# KiCad board output.Panel_R0.5.1_300x300_2layer_step1_Modified.kicad_pcb (continued)
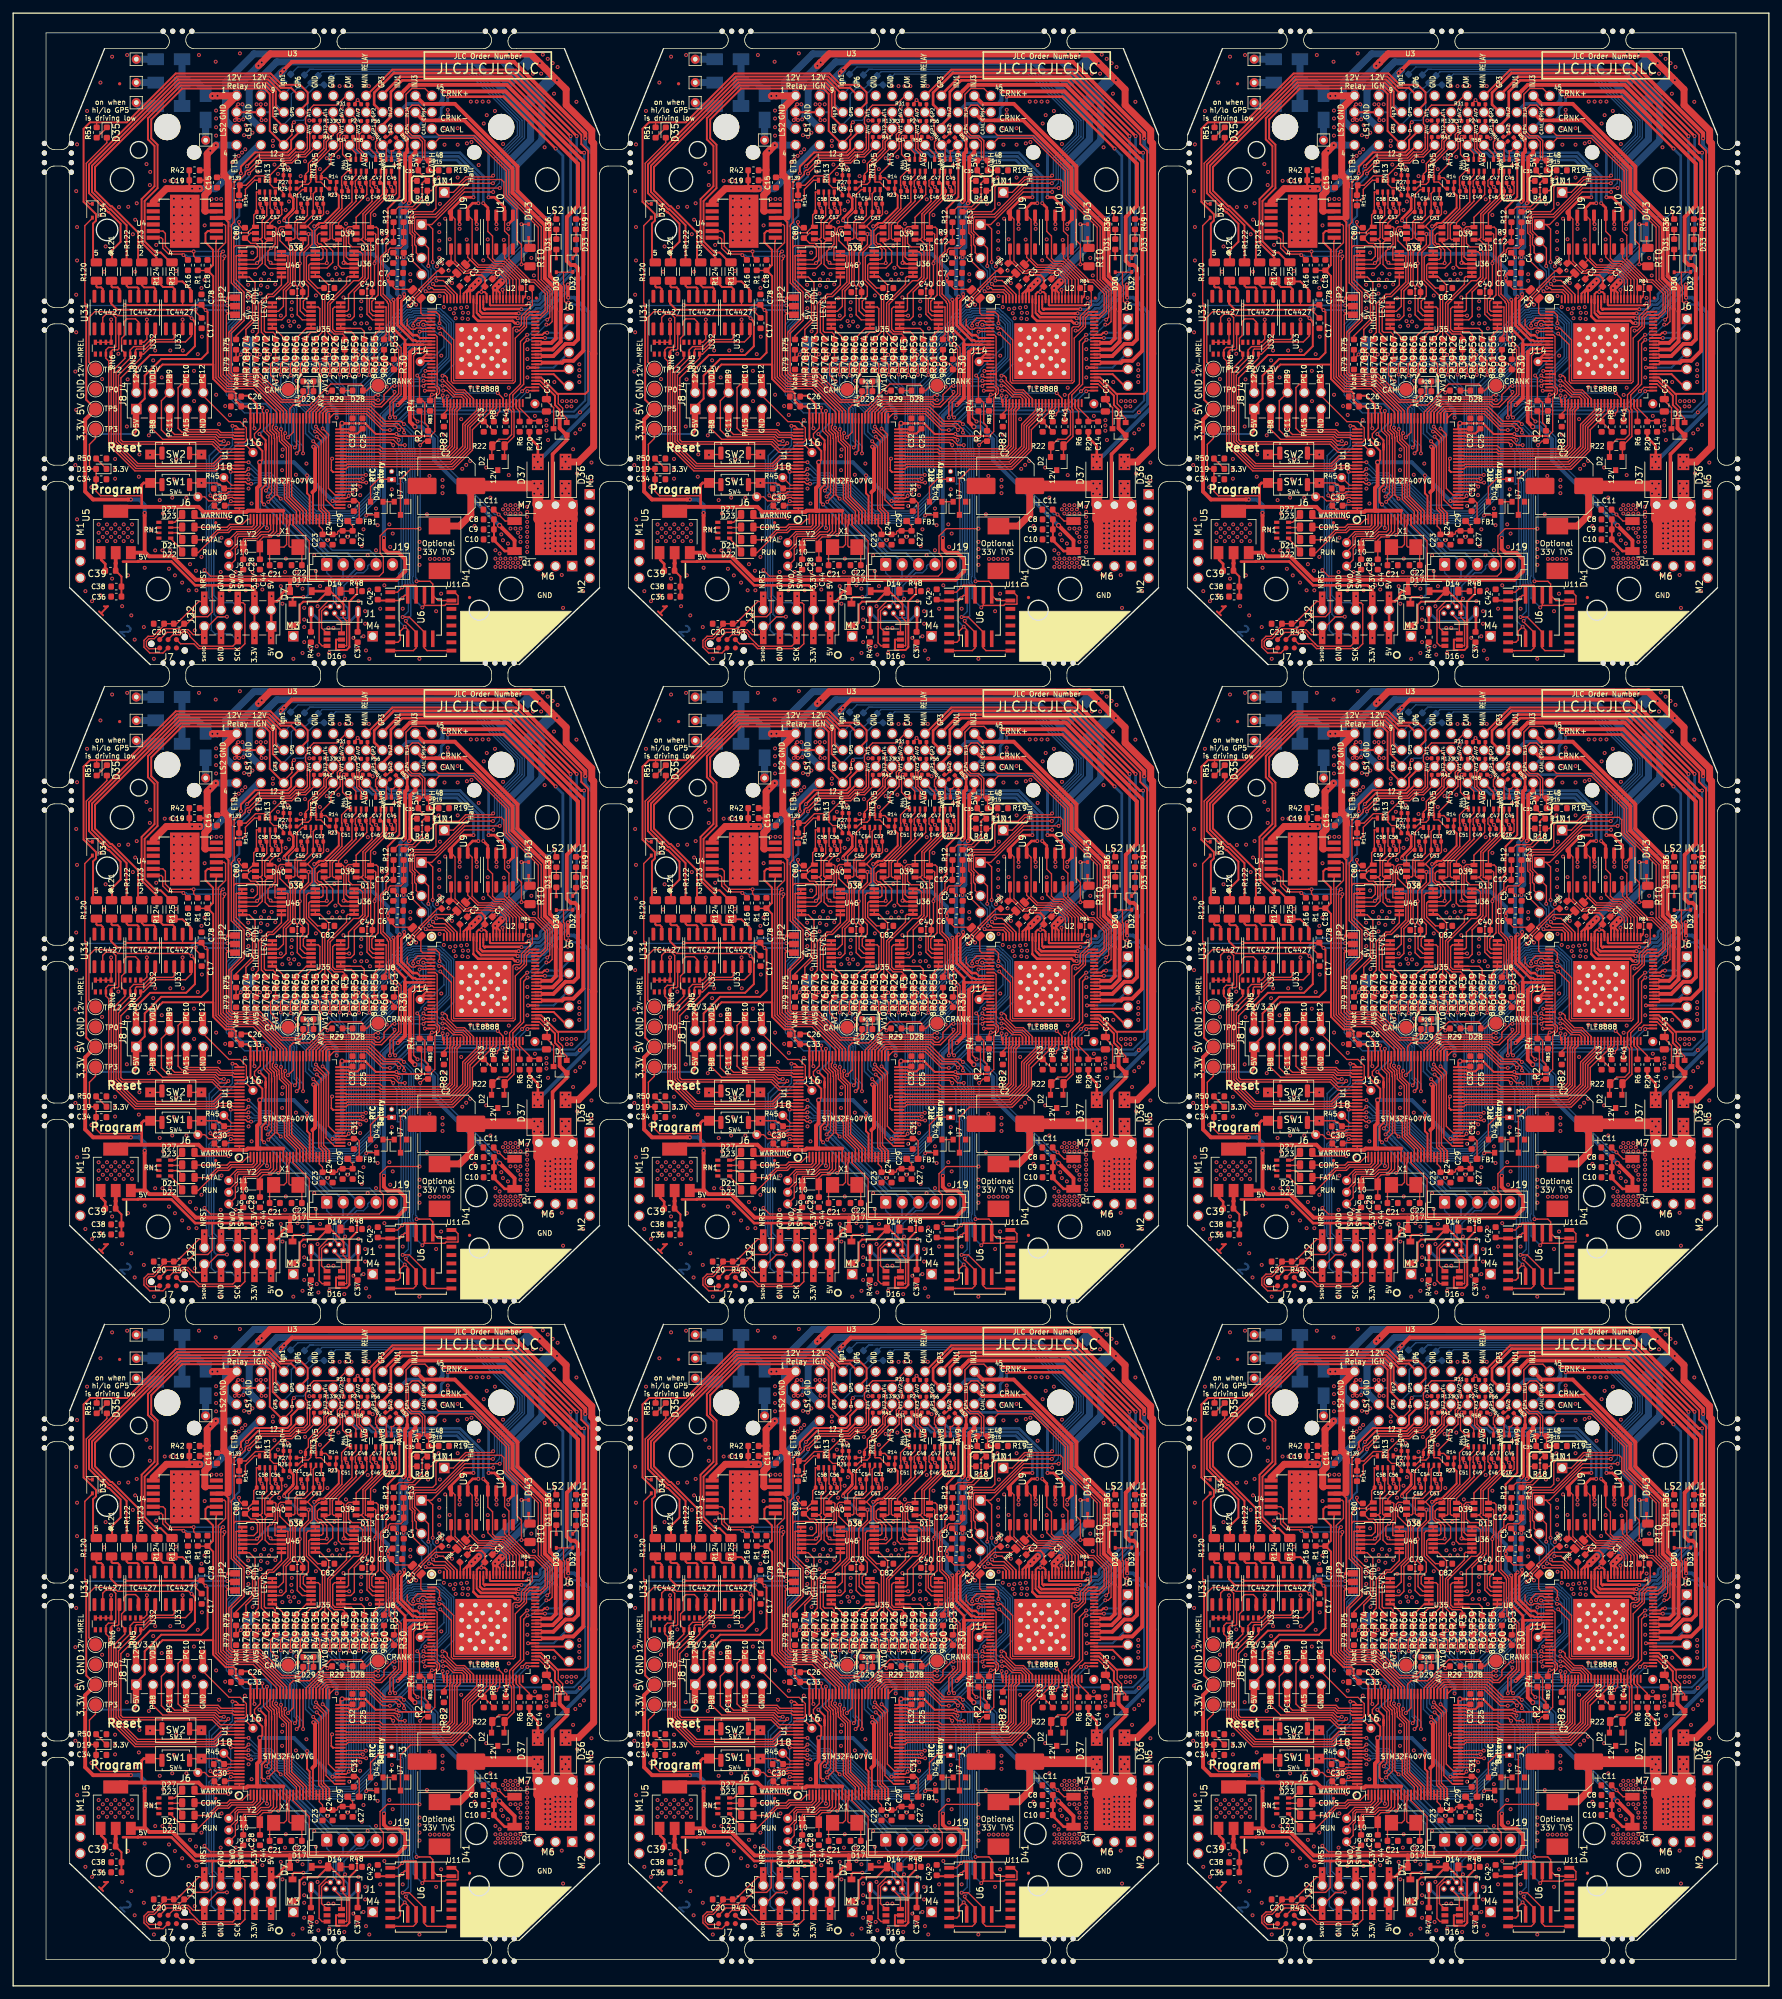
[diagram p0: board, top side]
## Routing (per net, layer and track width the routed paths; a pad name or vN(x,y) marks a point on that pad's centre or on a via; arc(x,y) is an arc through that point) (continued)
  Top w0.406: 39.25,209.76 39.25,206.98 ; v1(126.21,268.49) 126.21,268.78 127.49,270.06 127.49,270.14 127.61,270.26 127.61,271.76 R11#2.2 ; 127.1,212.1 126.25,212.1 125.83,211.68 125.83,211.25 125.14,210.55 J2#2.2 ; v1(142.82,256.41) 142.92,256.31 142.92,251.95 144.6,250.27 144.6,249.6 144.61,249.59 147.1,249.59 ; 124.25,209.76 124.25,206.98 ; 124.24,210.53 124.31,210.59 v1(124.31,211.34) ; R11#3.2 212.61,271.76 212.61,270.26 212.49,270.14 212.49,270.06 211.21,268.78 v1(211.21,268.49) ; 212.1,212.1 211.25,212.1 210.83,211.68 210.83,211.25 210.14,210.55 J2#3.2 ; v1(227.82,256.41) 227.92,256.31 227.92,251.95 229.6,250.27 229.6,249.6 229.61,249.59 232.1,249.59 ; 209.25,209.76 209.25,206.98 ; 209.24,210.53 209.31,210.59 v1(209.31,211.34) ; R11#5.2 212.61,174.76 212.61,173.26 212.49,173.14 212.49,173.06 211.21,171.78 v1(211.21,171.49) ; 212.1,115.1 211.25,115.1 210.83,114.68 210.83,114.25 210.14,113.55 J2#5.2 ; v1(227.82,159.41) 227.92,159.31 227.92,154.95 229.6,153.27 229.6,152.6 229.61,152.59 232.1,152.59 ; R11#6.2 127.61,174.76 127.61,173.26 127.49,173.14 127.49,173.06 126.21,171.78 v1(126.21,171.49) ; 127.1,115.1 126.25,115.1 125.83,114.68 125.83,114.25 125.14,113.55 J2#6.2 ; v1(142.82,159.41) 142.92,159.31 142.92,154.95 144.6,153.27 144.6,152.6 144.61,152.59 147.1,152.59 ; v1(41.21,171.49) 41.21,171.78 42.49,173.06 42.49,173.14 42.61,173.26 42.61,174.76 R11#4.2 ; D17#4.1 41.25,115.1 40.83,114.68 40.83,114.25 40.14,113.55 J2#4.2 ; v1(57.82,159.41) 57.92,159.31 57.92,154.95 59.6,153.27 59.6,152.6 59.61,152.59 62.1,152.59 ; 39.25,112.76 39.25,109.98 ; 39.24,113.53 39.31,113.59 v1(39.31,114.34) ; 124.25,112.76 124.25,109.98 ; 124.24,113.53 124.31,113.59 v1(124.31,114.34) ; 209.25,112.76 209.25,109.98 ; 209.24,113.53 209.31,113.59 v1(209.31,114.34) ; 212.1,18.1 211.25,18.1 210.83,17.68 210.83,17.25 210.14,16.55 J2#8.2 ; R11#8.2 212.61,77.76 212.61,76.26 212.49,76.14 212.49,76.06 211.21,74.78 v1(211.21,74.49) ; v1(227.82,62.41) 227.92,62.31 227.92,57.95 229.6,56.27 229.6,55.6 229.61,55.59 232.1,55.59 ; J2#9.2 125.14,16.55 125.83,17.25 125.83,17.68 126.25,18.1 127.1,18.1 ; v1(142.82,62.41) 142.92,62.31 142.92,57.95 144.6,56.27 144.6,55.6 144.61,55.59 147.1,55.59 ; v1(126.21,74.49) 126.21,74.78 127.49,76.06 127.49,76.14 127.61,76.26 127.61,77.76 R11#9.2 ; v1(41.21,74.49) 41.21,74.78 42.49,76.06 42.49,76.14 42.61,76.26 42.61,77.76 R11#7.2 ; D17#7.1 41.25,18.1 40.83,17.68 40.83,17.25 40.14,16.55 J2#7.2 ; v1(57.82,62.41) 57.92,62.31 57.92,57.95 59.6,56.27 59.6,55.6 59.61,55.59 62.1,55.59 ; 39.25,15.76 39.25,12.98 ; v1(39.31,17.34) 39.31,16.59 39.24,16.53 ; 124.24,16.53 124.31,16.59 v1(124.31,17.34) ; 124.25,15.76 124.25,12.98 ; 209.25,15.76 209.25,12.98 ; 209.24,16.53 209.31,16.59 v1(209.31,17.34) ; 39.24,210.53 39.31,210.59 v1(39.31,211.34) ; D17.1 41.25,212.1 40.83,211.68 40.83,211.25 40.14,210.55 J2.2 ; 62.1,249.59 59.61,249.59 59.6,249.6 59.6,250.27 57.92,251.95 57.92,256.31 v1(57.82,256.41) ; R11.2 42.61,271.76 42.61,270.26 42.49,270.14 42.49,270.06 41.21,268.78 v1(41.21,268.49)
  Top w0.6: v1(105,224) 105,218.1 105.7,217.4 109.2,217.4 112.77,213.83 127.06,213.83 ; v1(141.38,220.18) 141.38,218.52 141.96,217.94 143.61,217.94 144.63,216.92 144.63,215.15 143.31,213.83 127.06,213.83 ; 127.06,213.83 127.1,213.78 127.1,212.1 ; 144.6,249.6 144.58,249.58 144.58,241.48 v1(143.5,240.4) ; U5#2.3 104.9,217.95 ; v1(102.9,226.04) 97.16,226.04 95.95,227.25 v1(95.95,235.95) 95.95,238.2 TP5#2.1 ; v1(190,224) 190,218.1 190.7,217.4 194.2,217.4 197.77,213.83 212.06,213.83 ; v1(226.38,220.18) 226.38,218.52 226.96,217.94 228.61,217.94 229.63,216.92 229.63,215.15 228.31,213.83 212.06,213.83 ; 212.1,212.1 212.1,213.78 212.06,213.83 ; v1(228.5,240.4) 229.58,241.48 229.58,249.58 229.6,249.6 ; TP5#3.1 180.95,238.2 v1(180.95,235.95) 180.95,227.25 182.16,226.04 v1(187.9,226.04) ; U5#3.3 189.9,217.95 ; v1(190,127) 190,121.1 190.7,120.4 194.2,120.4 197.77,116.83 212.06,116.83 ; v1(226.38,123.18) 226.38,121.52 226.96,120.94 228.61,120.94 229.63,119.92 229.63,118.15 228.31,116.83 212.06,116.83 ; 212.06,116.83 212.1,116.78 212.1,115.1 ; v1(228.5,143.4) 229.58,144.48 229.58,152.58 229.6,152.6 ; v1(105,127) 105,121.1 105.7,120.4 109.2,120.4 112.77,116.83 127.06,116.83 ; v1(141.38,123.18) 141.38,121.52 141.96,120.94 143.61,120.94 144.63,119.92 144.63,118.15 143.31,116.83 127.06,116.83 ; 127.1,115.1 127.1,116.78 127.06,116.83 ; v1(143.5,143.4) 144.58,144.48 144.58,152.58 144.6,152.6 ; v1(20,127) 20,121.1 20.7,120.4 24.2,120.4 27.77,116.83 42.06,116.83 ; v1(56.38,123.18) 56.38,121.52 56.96,120.94 58.61,120.94 59.63,119.92 59.63,118.15 58.31,116.83 42.06,116.83 ; 42.06,116.83 42.1,116.78 D17#4.1 ; 59.6,152.6 59.58,152.58 59.58,144.48 v1(58.5,143.4) ; U5#6.3 19.9,120.95 ; v1(17.9,129.04) 12.16,129.04 10.95,130.25 v1(10.95,138.95) 10.95,141.2 TP5#4.1 ; TP5#6.1 95.95,141.2 v1(95.95,138.95) 95.95,130.25 97.16,129.04 v1(102.9,129.04) ; U5#5.3 104.9,120.95 ; v1(187.9,129.04) 182.16,129.04 180.95,130.25 v1(180.95,138.95) 180.95,141.2 TP5#5.1 ; U5#4.3 189.9,120.95 ; v1(190,30) 190,24.1 190.7,23.4 194.2,23.4 197.77,19.83 212.06,19.83 ; v1(226.38,26.18) 226.38,24.52 226.96,23.94 228.61,23.94 229.63,22.92 229.63,21.15 228.31,19.83 212.06,19.83 ; 212.1,18.1 212.1,19.78 212.06,19.83 ; 229.6,55.6 229.58,55.58 229.58,47.48 v1(228.5,46.4) ; v1(143.5,46.4) 144.58,47.48 144.58,55.58 144.6,55.6 ; 127.06,19.83 143.31,19.83 144.63,21.15 144.63,22.92 143.61,23.94 141.96,23.94 141.38,24.52 v1(141.38,26.18) ; 127.06,19.83 112.77,19.83 109.2,23.4 105.7,23.4 105,24.1 v1(105,30) ; 127.06,19.83 127.1,19.78 127.1,18.1 ; v1(20,30) 20,24.1 20.7,23.4 24.2,23.4 27.77,19.83 42.06,19.83 ; 42.06,19.83 42.1,19.78 D17#7.1 ; 42.06,19.83 58.31,19.83 59.63,21.15 59.63,22.92 58.61,23.94 56.96,23.94 56.38,24.52 v1(56.38,26.18) ; v1(58.5,46.4) 59.58,47.48 59.58,55.58 59.6,55.6 ; TP5#7.1 10.95,44.2 v1(10.95,41.95) 10.95,33.25 12.16,32.04 v1(17.9,32.04) ; U5#9.3 19.9,23.95 ; U5#8.3 104.9,23.95 ; TP5#9.1 95.95,44.2 v1(95.95,41.95) 95.95,33.25 97.16,32.04 v1(102.9,32.04) ; v1(187.9,32.04) 182.16,32.04 180.95,33.25 v1(180.95,41.95) 180.95,44.2 TP5#8.1 ; U5#7.3 189.9,23.95 ; 42.06,213.83 42.1,213.78 D17.1 ; 42.06,213.83 27.77,213.83 24.2,217.4 20.7,217.4 20,218.1 v1(20,224) ; 42.06,213.83 58.31,213.83 59.63,215.15 59.63,216.92 58.61,217.94 56.96,217.94 56.38,218.52 v1(56.38,220.18) ; v1(17.9,226.04) 12.16,226.04 10.95,227.25 v1(10.95,235.95) 10.95,238.2 TP5.1 ; U5.3 19.9,217.95 ; v1(58.5,240.4) 59.58,241.48 59.58,249.58 59.6,249.6
  Bottom w0.203: 132.7,263.4 v1(132.7,262) ; 217.7,263.4 v1(217.7,262) ; 47.7,166.4 v1(47.7,165) ; 132.7,166.4 v1(132.7,165) ; 217.7,166.4 v1(217.7,165) ; 47.7,69.4 v1(47.7,68) ; 132.7,69.4 v1(132.7,68) ; 217.7,69.4 v1(217.7,68) ; 47.7,263.4 v1(47.7,262)
  Bottom w0.216: 129.96,266.45 v1(129.91,266.41) ; 128.6,263.4 v1(128.6,261.95) ; 140.6,262.5 140.5,262.5 v1(139.95,261.95) ; v1(96.1,255.54) 101.94,255.54 v1(102,255.6) ; 214.96,266.45 v1(214.91,266.41) ; v1(224.95,261.95) 225.5,262.5 225.6,262.5 ; 213.6,263.4 v1(213.6,261.95) ; v1(187,255.6) 186.94,255.54 v1(181.1,255.54) ; 44.96,169.45 v1(44.91,169.41) ; 43.6,166.4 v1(43.6,164.95) ; 55.6,165.5 55.5,165.5 v1(54.95,164.95) ; v1(11.1,158.54) 16.94,158.54 v1(17,158.6) ; 129.96,169.45 v1(129.91,169.41) ; v1(139.95,164.95) 140.5,165.5 140.6,165.5 ; 128.6,166.4 v1(128.6,164.95) ; v1(102,158.6) 101.94,158.54 v1(96.1,158.54) ; 214.96,169.45 v1(214.91,169.41) ; v1(224.95,164.95) 225.5,165.5 225.6,165.5 ; v1(187,158.6) 186.94,158.54 v1(181.1,158.54) ; v1(213.6,164.95) 213.6,166.4 ; 44.96,72.45 v1(44.91,72.41) ; 43.6,69.4 v1(43.6,67.95) ; 55.6,68.5 55.5,68.5 v1(54.95,67.95) ; v1(11.1,61.54) 16.94,61.54 v1(17,61.6) ; v1(139.95,67.95) 140.5,68.5 140.6,68.5 ; 129.96,72.45 v1(129.91,72.41) ; v1(102,61.6) 101.94,61.54 v1(96.1,61.54) ; v1(128.6,67.95) 128.6,69.4 ; 214.96,72.45 v1(214.91,72.41) ; v1(213.6,67.95) 213.6,69.4 ; v1(187,61.6) 186.94,61.54 v1(181.1,61.54) ; v1(224.95,67.95) 225.5,68.5 225.6,68.5 ; 43.6,263.4 v1(43.6,261.95) ; v1(17,255.6) 16.94,255.54 v1(11.1,255.54) ; v1(54.95,261.95) 55.5,262.5 55.6,262.5 ; 44.96,266.45 v1(44.91,266.41)
  Bottom w0.305: v1(141.2,265.31) 141.2,263.1 140.6,262.5 ; v1(130.78,267.6) 130.78,266.49 130.7,266.4 130.69,266.41 ; v1(169.44,255.99) 169.74,255.69 170.56,255.69 172,254.25 172,241.1 170.3,239.4 v1(160,239.4) 158.92,239.4 158.72,239.6 148.5,239.6 148.34,239.44 144.97,239.44 142.83,237.3 141.4,237.3 ; v1(114.28,254.85) 117.4,254.85 v1(117.58,254.67) ; v1(103.3,236) 96,236 v1(95.95,235.95) ; 225.6,262.5 226.2,263.1 v1(226.2,265.31) ; v1(215.78,267.6) 215.78,266.49 215.7,266.4 215.69,266.41 ; v1(254.44,255.99) 254.74,255.69 255.56,255.69 257,254.25 257,241.1 255.3,239.4 v1(245,239.4) 243.92,239.4 243.72,239.6 233.5,239.6 233.34,239.44 229.97,239.44 227.83,237.3 226.4,237.3 ; v1(199.28,254.85) 202.4,254.85 v1(202.58,254.67) ; v1(180.95,235.95) 181,236 v1(188.3,236) ; 225.6,165.5 226.2,166.1 v1(226.2,168.31) ; v1(215.78,170.6) 215.78,169.49 215.7,169.4 215.69,169.41 ; v1(254.44,158.99) 254.74,158.69 255.56,158.69 257,157.25 257,144.1 255.3,142.4 v1(245,142.4) 243.92,142.4 243.72,142.6 233.5,142.6 233.34,142.44 229.97,142.44 227.83,140.3 226.4,140.3 ; 140.6,165.5 141.2,166.1 v1(141.2,168.31) ; v1(130.78,170.6) 130.78,169.49 130.7,169.4 130.69,169.41 ; v1(169.44,158.99) 169.74,158.69 170.56,158.69 172,157.25 172,144.1 170.3,142.4 v1(160,142.4) 158.92,142.4 158.72,142.6 148.5,142.6 148.34,142.44 144.97,142.44 142.83,140.3 141.4,140.3 ; v1(56.2,168.31) 56.2,166.1 55.6,165.5 ; v1(45.78,170.6) 45.78,169.49 45.7,169.4 45.69,169.41 ; v1(84.44,158.99) 84.74,158.69 85.56,158.69 87,157.25 87,144.1 85.3,142.4 v1(75,142.4) 73.92,142.4 73.72,142.6 63.5,142.6 63.34,142.44 59.97,142.44 57.83,140.3 56.4,140.3 ; v1(29.27,157.85) 32.4,157.85 v1(32.58,157.67) ; v1(18.3,139) 11,139 v1(10.95,138.95) ; v1(114.28,157.85) 117.4,157.85 v1(117.58,157.67) ; v1(95.95,138.95) 96,139 v1(103.3,139) ; v1(199.28,157.85) 202.4,157.85 v1(202.58,157.67) ; v1(180.95,138.95) 181,139 v1(188.3,139) ; 225.6,68.5 226.2,69.1 v1(226.2,71.31) ; v1(215.78,73.6) 215.78,72.49 215.7,72.4 215.69,72.41 ; v1(254.44,61.99) 254.74,61.69 255.56,61.69 257,60.25 257,47.1 255.3,45.4 v1(245,45.4) 243.92,45.4 243.72,45.6 233.5,45.6 233.34,45.44 229.97,45.44 227.83,43.3 226.4,43.3 ; 140.6,68.5 141.2,69.1 v1(141.2,71.31) ; v1(130.78,73.6) 130.78,72.49 130.7,72.4 130.69,72.41 ; v1(169.44,61.99) 169.74,61.69 170.56,61.69 172,60.25 172,47.1 170.3,45.4 v1(160,45.4) 158.92,45.4 158.72,45.6 148.5,45.6 148.34,45.44 144.97,45.44 142.83,43.3 141.4,43.3 ; v1(56.2,71.31) 56.2,69.1 55.6,68.5 ; v1(45.78,73.6) 45.78,72.49 45.7,72.4 45.69,72.41 ; v1(84.44,61.99) 84.74,61.69 85.56,61.69 87,60.25 87,47.1 85.3,45.4 v1(75,45.4) 73.92,45.4 73.72,45.6 63.5,45.6 63.34,45.44 59.97,45.44 57.83,43.3 56.4,43.3 ; v1(29.27,60.85) 32.4,60.85 v1(32.58,60.67) ; v1(10.95,41.95) 11,42 v1(18.3,42) ; v1(114.28,60.85) 117.4,60.85 v1(117.58,60.67) ; v1(95.95,41.95) 96,42 v1(103.3,42) ; v1(202.58,60.67) 202.4,60.85 v1(199.28,60.85) ; v1(188.3,42) 181,42 v1(180.95,41.95) ; v1(56.2,265.31) 56.2,263.1 55.6,262.5 ; v1(18.3,236) 11,236 v1(10.95,235.95) ; v1(45.78,267.6) 45.78,266.49 45.7,266.4 45.69,266.41 ; v1(84.44,255.99) 84.74,255.69 85.56,255.69 87,254.25 87,241.1 85.3,239.4 v1(75,239.4) 73.92,239.4 73.72,239.6 63.5,239.6 63.34,239.44 59.97,239.44 57.83,237.3 56.4,237.3 ; v1(29.27,254.85) 32.4,254.85 v1(32.58,254.67)
  Bottom w0.406: v1(129.91,266.41) 128.29,266.41 v1(126.21,268.49) ; 123.5,263.4 v1(122.1,262) ; v1(214.91,266.41) 213.29,266.41 v1(211.21,268.49) ; 208.5,263.4 v1(207.1,262) ; v1(214.91,169.41) 213.29,169.41 v1(211.21,171.49) ; v1(129.91,169.41) 128.29,169.41 v1(126.21,171.49) ; v1(44.91,169.41) 43.29,169.41 v1(41.21,171.49) ; 38.5,166.4 v1(37.1,165) ; 123.5,166.4 v1(122.1,165) ; 208.5,166.4 v1(207.1,165) ; v1(214.91,72.41) 213.29,72.41 v1(211.21,74.49) ; v1(129.91,72.41) 128.29,72.41 v1(126.21,74.49) ; v1(44.91,72.41) 43.29,72.41 v1(41.21,74.49) ; 38.5,69.4 v1(37.1,68) ; 123.5,69.4 v1(122.1,68) ; 208.5,69.4 v1(207.1,68) ; v1(44.91,266.41) 43.29,266.41 v1(41.21,268.49) ; 38.5,263.4 v1(37.1,262)
  Bottom w0.6: 123.5,263.4 128.6,263.4 130.7,263.4 ; v1(142.82,256.41) 142,257.23 v1(142,259.7) 142,261.1 139.7,263.4 132.7,263.4 130.7,263.4 ; 130.7,263.4 130.7,266.4 ; 130.69,266.41 v1(129.91,266.41) ; v1(102.9,226.04) 104.16,226.04 105,225.2 v1(105,224) ; v1(143.5,240.4) 143.03,240.4 141.38,238.74 v1(141.38,220.18) ; 208.5,263.4 213.6,263.4 215.7,263.4 ; v1(227.82,256.41) 227,257.23 v1(227,259.7) 227,261.1 224.7,263.4 217.7,263.4 215.7,263.4 ; 215.7,263.4 215.7,266.4 ; 215.69,266.41 v1(214.91,266.41) ; v1(228.5,240.4) 228.03,240.4 226.38,238.74 v1(226.38,220.18) ; v1(187.9,226.04) 189.16,226.04 190,225.2 v1(190,224) ; 208.5,166.4 213.6,166.4 215.7,166.4 ; v1(227.82,159.41) 227,160.23 v1(227,162.7) 227,164.1 224.7,166.4 217.7,166.4 215.7,166.4 ; 123.5,166.4 128.6,166.4 130.7,166.4 ; v1(142.82,159.41) 142,160.23 v1(142,162.7) 142,164.1 139.7,166.4 132.7,166.4 130.7,166.4 ; 38.5,166.4 43.6,166.4 45.7,166.4 ; v1(57.82,159.41) 57,160.23 v1(57,162.7) 57,164.1 54.7,166.4 47.7,166.4 45.7,166.4 ; 45.7,166.4 45.7,169.4 ; 45.69,169.41 v1(44.91,169.41) ; v1(17.9,129.04) 19.16,129.04 20,128.2 v1(20,127) ; v1(58.5,143.4) 58.03,143.4 56.38,141.74 v1(56.38,123.18) ; 130.7,166.4 130.7,169.4 ; 130.69,169.41 v1(129.91,169.41) ; v1(143.5,143.4) 143.03,143.4 141.38,141.74 v1(141.38,123.18) ; v1(102.9,129.04) 104.16,129.04 105,128.2 v1(105,127) ; 215.7,166.4 215.7,169.4 ; 215.69,169.41 v1(214.91,169.41) ; v1(187.9,129.04) 189.16,129.04 190,128.2 v1(190,127) ; v1(228.5,143.4) 228.03,143.4 226.38,141.74 v1(226.38,123.18) ; 208.5,69.4 213.6,69.4 215.7,69.4 ; v1(227.82,62.41) 227,63.23 v1(227,65.7) 227,67.1 224.7,69.4 217.7,69.4 215.7,69.4 ; 123.5,69.4 128.6,69.4 130.7,69.4 ; v1(142.82,62.41) 142,63.23 v1(142,65.7) 142,67.1 139.7,69.4 132.7,69.4 130.7,69.4 ; 38.5,69.4 43.6,69.4 45.7,69.4 ; v1(57.82,62.41) 57,63.23 v1(57,65.7) 57,67.1 54.7,69.4 47.7,69.4 45.7,69.4 ; 45.7,69.4 45.7,72.4 ; 45.69,72.41 v1(44.91,72.41) ; v1(58.5,46.4) 58.03,46.4 56.38,44.74 v1(56.38,26.18) ; v1(17.9,32.04) 19.16,32.04 20,31.2 v1(20,30) ; 130.7,69.4 130.7,72.4 ; v1(143.5,46.4) 143.03,46.4 141.38,44.74 v1(141.38,26.18) ; 130.69,72.41 v1(129.91,72.41) ; v1(102.9,32.04) 104.16,32.04 105,31.2 v1(105,30) ; 215.7,69.4 215.7,72.4 ; 215.69,72.41 v1(214.91,72.41) ; v1(226.38,26.18) 226.38,44.74 228.03,46.4 v1(228.5,46.4) ; v1(190,30) 190,31.2 189.16,32.04 v1(187.9,32.04) ; 45.69,266.41 v1(44.91,266.41) ; v1(57.82,256.41) 57,257.23 v1(57,259.7) 57,261.1 54.7,263.4 47.7,263.4 45.7,263.4 ; v1(20,224) 20,225.2 19.16,226.04 v1(17.9,226.04) ; v1(56.38,220.18) 56.38,238.74 58.03,240.4 v1(58.5,240.4) ; 45.7,263.4 45.7,266.4 ; 45.7,263.4 43.6,263.4 38.5,263.4
  vias: v1(39.18,204.99) v1(39.18,107.99) v1(39.18,10.99) v1(124.18,204.99) v1(124.18,107.99) v1(124.18,10.99) v1(209.18,204.99) v1(209.18,107.99) v1(209.18,10.99)
/5V1: length 327.4
  Top w0.203: 145.4,274.4 145.5,274.5 R17#2.1 ; 144.4,263.57 144.4,262.92 v1(144.37,262.9) ; R18#2.1 145.4,273 ; 230.4,274.4 230.5,274.5 R17#3.1 ; R18#3.1 230.4,273 ; 229.4,263.57 229.4,262.92 v1(229.37,262.9) ; 230.4,177.4 230.5,177.5 R17#4.1 ; C4#5.1 229.4,165.92 v1(229.37,165.9) ; R18#5.1 230.4,176 ; 145.4,177.4 145.5,177.5 R17#5.1 ; R18#4.1 145.4,176 ; C4#4.1 144.4,165.92 v1(144.37,165.9) ; 60.4,177.4 60.5,177.5 R17#6.1 ; C4#6.1 59.4,165.92 v1(59.37,165.9) ; R18#6.1 60.4,176 ; 230.4,80.4 230.5,80.5 R17#7.1 ; C4#7.1 229.4,68.92 v1(229.37,68.9) ; R18#7.1 230.4,79 ; R18#9.1 145.4,79 ; v1(144.37,68.9) 144.4,68.92 C4#8.1 ; 145.4,80.4 145.5,80.5 R17#8.1 ; R17#9.1 60.5,80.5 60.4,80.4 ; v1(59.37,68.9) 59.4,68.92 C4#9.1 ; R18#8.1 60.4,79 ; 59.4,263.57 59.4,262.92 v1(59.37,262.9) ; R17.1 60.5,274.5 60.4,274.4 ; R18.1 60.4,273
  Top w0.305: U2#2.9 146.85,250.6 146.42,251.02 ; U2#3.9 231.85,250.6 231.42,251.02 ; U2#5.9 231.85,153.6 231.42,154.02 ; U2#6.9 146.85,153.6 146.42,154.02 ; U2#4.9 61.85,153.6 61.42,154.02 ; U2#8.9 231.85,56.6 231.42,57.02 ; 146.42,57.02 146.85,56.6 U2#9.9 ; U2#7.9 61.85,56.6 61.42,57.02 ; 61.42,251.02 61.85,250.6 U2.9
  Top w0.406: v1(144.48,257.26) 144.48,256.65 144.03,256.2 144.03,252.75 145.76,251.02 146.42,251.02 ; v1(229.48,257.26) 229.48,256.65 229.03,256.2 229.03,252.75 230.76,251.02 231.42,251.02 ; v1(229.48,160.26) 229.48,159.65 229.03,159.2 229.03,155.75 230.76,154.02 231.42,154.02 ; v1(144.48,160.26) 144.48,159.65 144.03,159.2 144.03,155.75 145.76,154.02 146.42,154.02 ; v1(59.48,160.26) 59.48,159.65 59.03,159.2 59.03,155.75 60.76,154.02 61.42,154.02 ; v1(229.48,63.26) 229.48,62.65 229.03,62.2 229.03,58.75 230.76,57.02 231.42,57.02 ; v1(144.48,63.26) 144.48,62.65 144.03,62.2 144.03,58.75 145.76,57.02 146.42,57.02 ; v1(59.48,63.26) 59.48,62.65 59.03,62.2 59.03,58.75 60.76,57.02 61.42,57.02 ; v1(59.48,257.26) 59.48,256.65 59.03,256.2 59.03,252.75 60.76,251.02 61.42,251.02
  Top w0.6: v1(145.2,271.1) 145.4,271.3 145.4,278.03 146.17,278.8 U3#2.44 ; v1(230.2,271.1) 230.4,271.3 230.4,278.03 231.17,278.8 U3#3.44 ; v1(230.2,174.1) 230.4,174.3 230.4,181.03 231.17,181.8 U3#5.44 ; v1(145.2,174.1) 145.4,174.3 145.4,181.03 146.17,181.8 U3#6.44 ; v1(60.2,174.1) 60.4,174.3 60.4,181.03 61.17,181.8 U3#4.44 ; v1(230.2,77.1) 230.4,77.3 230.4,84.03 231.17,84.8 U3#7.44 ; U3#9.44 146.17,84.8 145.4,84.03 145.4,77.3 v1(145.2,77.1) ; v1(60.2,77.1) 60.4,77.3 60.4,84.03 61.17,84.8 U3#8.44 ; U3.44 61.17,278.8 60.4,278.03 60.4,271.3 v1(60.2,271.1)
  Bottom w0.6: v1(145.2,271.1) 144.8,270.7 144.8,264.45 144.35,264 v1(144.37,262.9) 144.37,257.36 v1(144.48,257.26) ; v1(229.48,257.26) 229.37,257.36 v1(229.37,262.9) 229.35,264 229.8,264.45 229.8,270.7 v1(230.2,271.1) ; v1(229.48,160.26) 229.37,160.36 v1(229.37,165.9) 229.35,167 229.8,167.45 229.8,173.7 v1(230.2,174.1) ; v1(144.48,160.26) 144.37,160.36 v1(144.37,165.9) 144.35,167 144.8,167.45 144.8,173.7 v1(145.2,174.1) ; v1(60.2,174.1) 59.8,173.7 59.8,167.45 59.35,167 v1(59.37,165.9) 59.37,160.36 v1(59.48,160.26) ; v1(230.2,77.1) 229.8,76.7 229.8,70.45 229.35,70 v1(229.37,68.9) 229.37,63.36 v1(229.48,63.26) ; v1(145.2,77.1) 144.8,76.7 144.8,70.45 144.35,70 v1(144.37,68.9) 144.37,63.36 v1(144.48,63.26) ; v1(59.48,63.26) 59.37,63.36 v1(59.37,68.9) 59.35,70 59.8,70.45 59.8,76.7 v1(60.2,77.1) ; v1(59.48,257.26) 59.37,257.36 v1(59.37,262.9) 59.35,264 59.8,264.45 59.8,270.7 v1(60.2,271.1)
